# Allegro board mini_trx_layout.brd (continued)
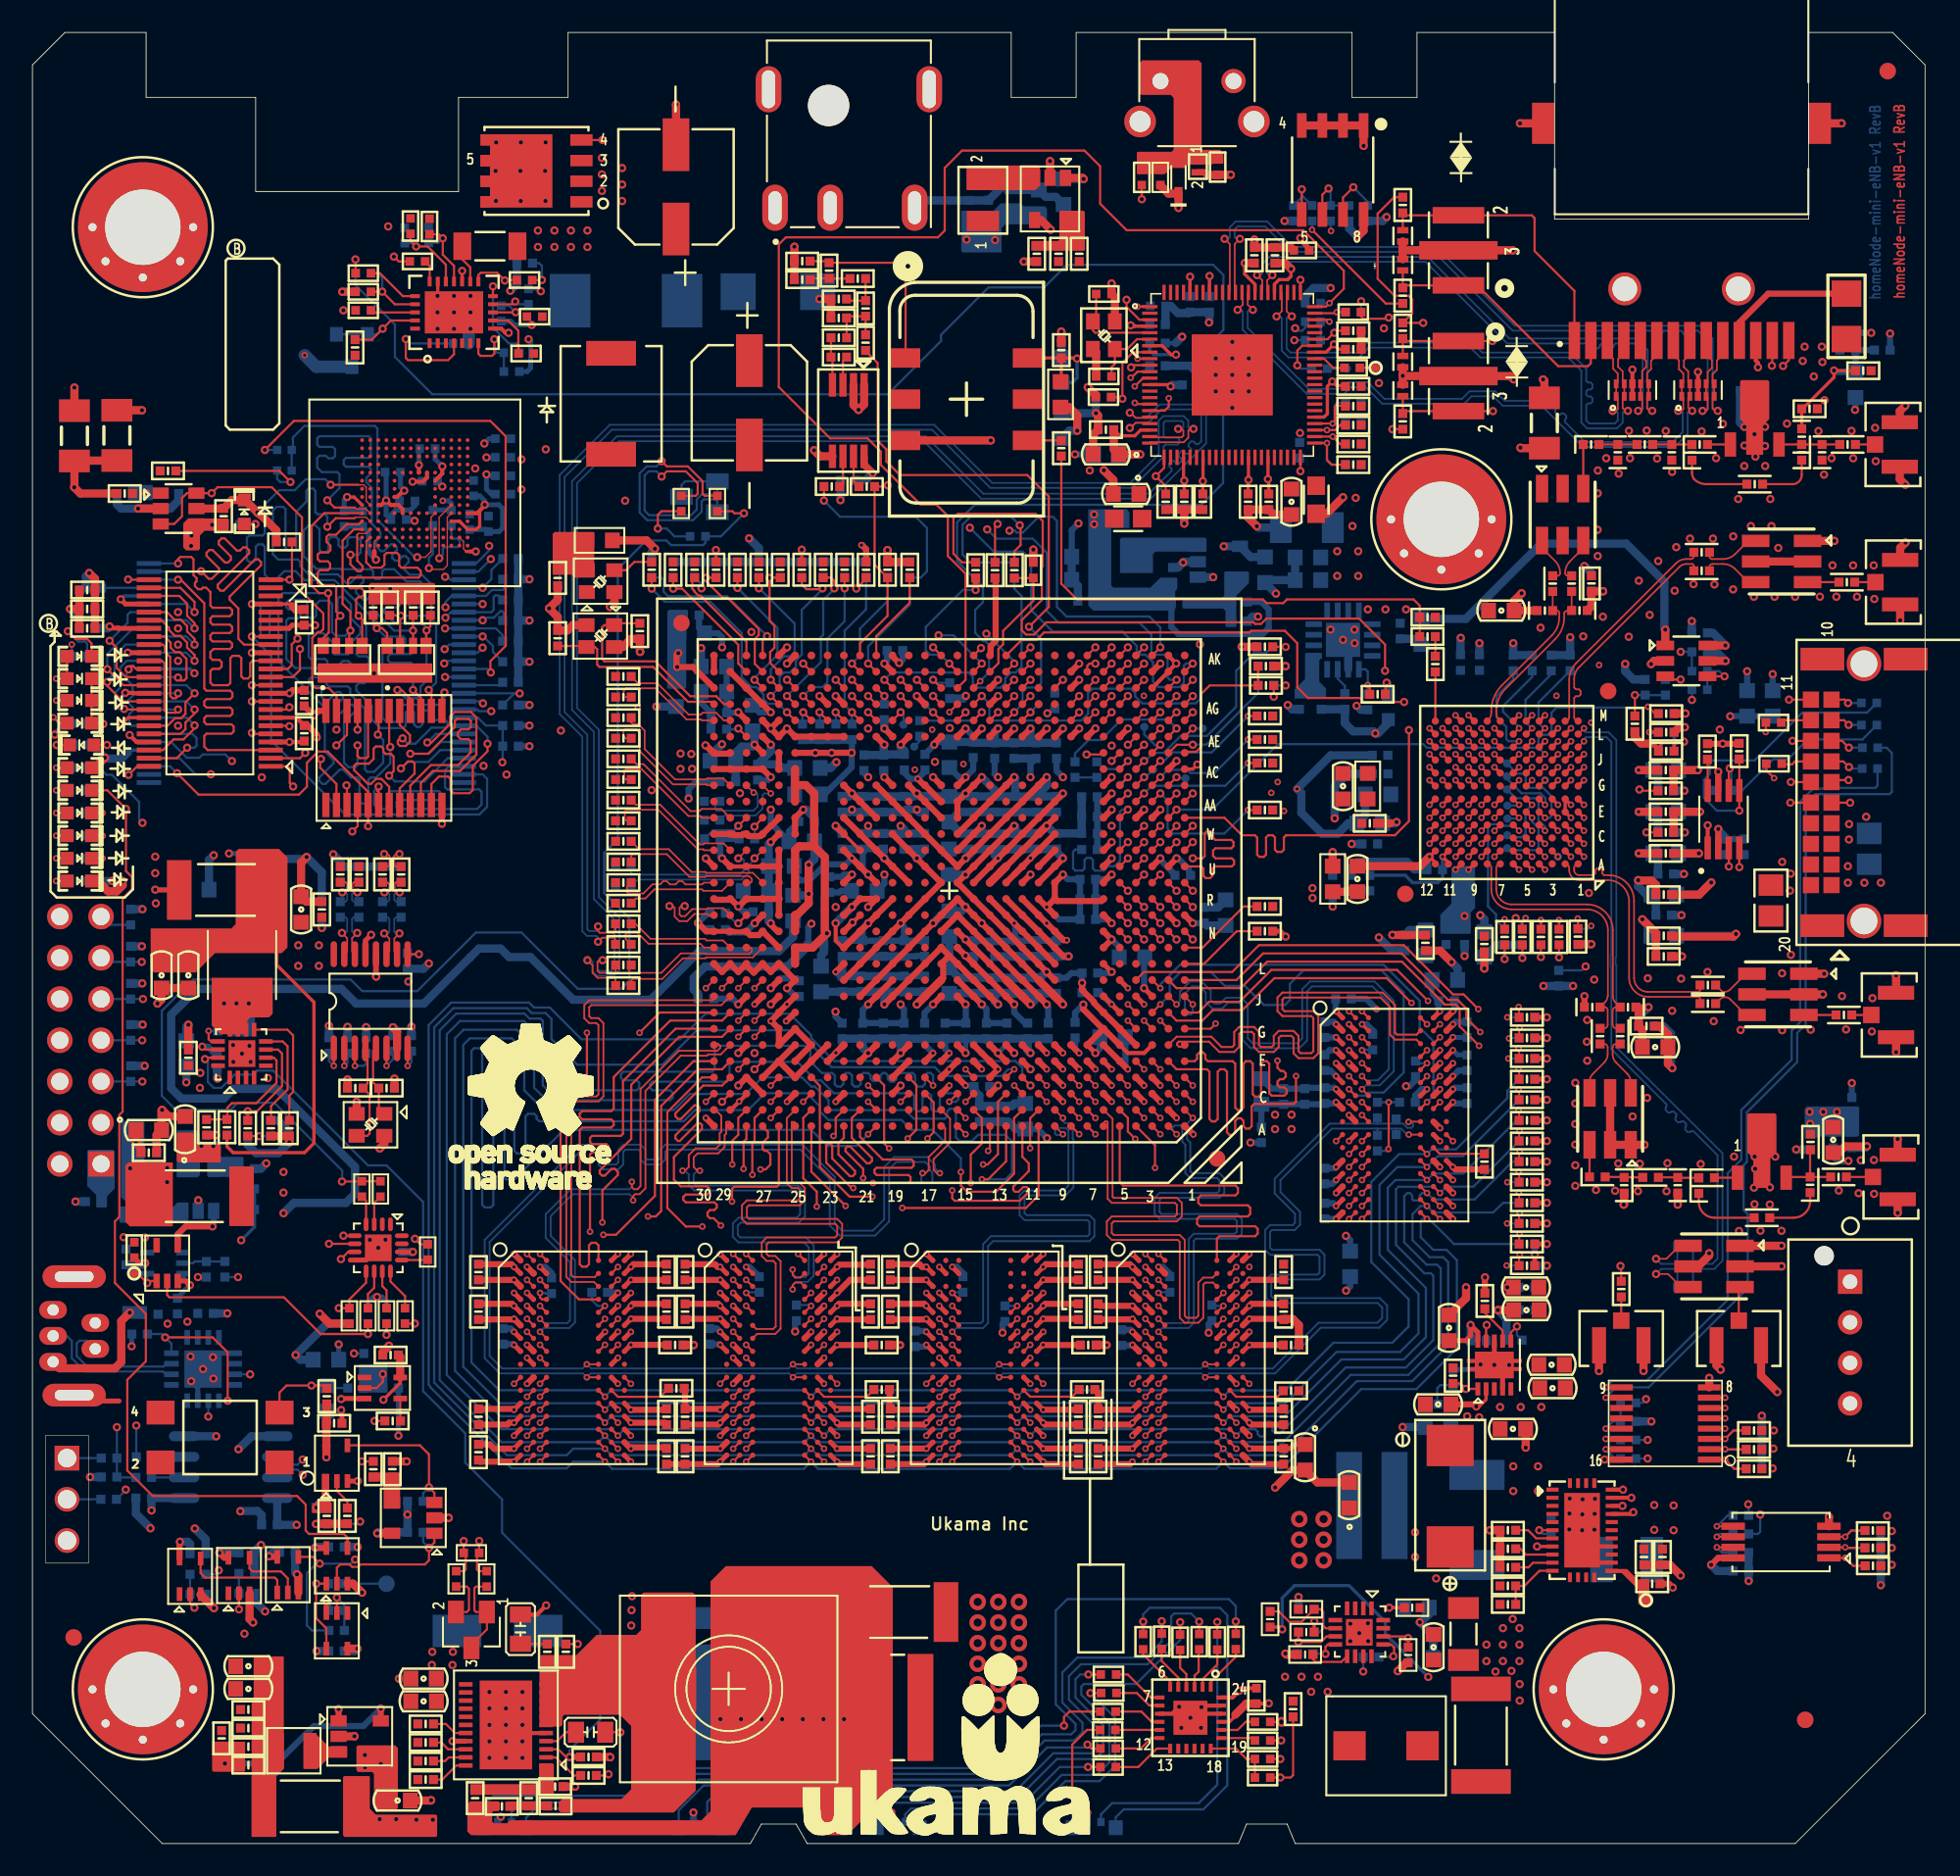
[diagram p0: board, top side]
## Routing (per net, layer and track width the routed paths; a pad name or vN(x,y) marks a point on that pad's centre or on a via; arc(x,y) is an arc through that point) (continued)
7130_DDR3_A14: length 153.2
  TOP w0.137: v2(47.97,23.53) U15.T7 ; v1(61.49,46.71) U1.D11 ; U35.T7 v2(85.91,38.49) ; U11.T7 v2(35.27,23.53) ; U23.T7 v2(60.67,23.53) ; U30.T7 v2(73.37,23.53)
  BOTTOM w0.137: v1(61.49,46.71) 61.15,47.04 60.98,47.21 60.98,47.8 60.56,48.22 49.39,48.22 47.98,49.63 47.98,49.81 46.65,51.13 41.47,51.13 39.89,49.56 33.82,49.56 32.12,51.26 32.12,51.27 31.88,51.52 30.9,51.52 30.59,51.82 25.8,51.82 24.41,50.43 24.41,28.27 24.51,28.17 24.51,28.12 29.51,23.12 32.9,23.12 33.32,23.53 v2(35.27,23.53) 35.72,23.09 47.53,23.09 v2(47.97,23.53) 48.42,23.09 60.23,23.09 v2(60.67,23.53) 61.11,23.09 72.93,23.09 v2(73.37,23.53) 73.79,23.12 76.98,23.12 81.86,28 85.26,28 87.75,30.49 87.75,35.95 87.12,36.59 86.31,36.59 85.53,37.36 85.53,38.36 85.66,38.49 v2(85.91,38.49) 86.04,38.49 87.58,36.94 R463.1
7130_DDR3_A15: length 159
  TOP w0.137: U1.B11 60.47,44.7 60.47,41.27 59.37,40.17 57.58,40.17 57.2,40.55 v2(57.2,41.39) ; U11.M7 v2(35.27,26.73) ; U30.M7 v2(73.37,26.73) ; U15.M7 v2(47.97,26.73) ; U23.M7 v2(60.67,26.73) ; U35.M7 v2(85.91,41.69)
  BOTTOM w0.137: R456.1 88.11,42.35 86.58,42.35 v2(85.91,41.69) 84.09,41.69 82.99,40.59 82.99,36.28 85.39,33.88 85.39,31.43 84.25,30.29 80.34,30.29 77.19,27.14 73.78,27.14 v2(73.37,26.73) 72.95,27.15 61.09,27.15 v2(60.67,26.73) 60.25,27.15 57.21,27.15 57.19,27.13 48.37,27.13 v2(47.97,26.73) 47.57,27.13 35.67,27.13 v2(35.27,26.73) 34.87,27.13 28.79,27.13 26.54,29.39 26.54,49.21 26.95,49.62 29.54,49.62 29.69,49.46 29.69,42.68 29.84,42.53 30.22,42.53 30.38,42.68 30.38,44.82 30.53,44.97 30.91,44.97 31.06,44.82 31.06,44.66 31.21,44.51 40.13,44.51 40.81,45.2 44.09,45.2 45.13,46.23 47.7,46.23 48.51,45.43 48.51,45.12 49.04,44.59 53.54,44.59 54.15,43.98 55.44,43.98 57.2,42.23 v2(57.2,41.39)
7130_DDR3_BA0: length 167.1
  TOP w0.137: U35.M2 v2(81.11,41.69) ; U23.M2 v2(55.87,26.73) ; U15.M2 v2(43.17,26.73) ; U1.B20 v2(51.49,45.71) ; U30.M2 v2(68.57,26.73) ; U11.M2 v2(30.47,26.73)
  L3-SIGNAL w0.127: v2(51.49,45.71) 50.77,45.71 50.53,45.95 50.53,46.26 50.23,46.57 48.66,46.57 46,49.24 43.24,49.24 42.63,48.63 41.14,48.63 39.49,46.98 36.89,46.98 33.85,43.94 28.15,38.24 27.97,38.24 27.84,38.38 27.84,38.56 33.85,44.57 36.76,47.48 39.37,47.48 41.08,49.2 42.33,49.2 42.45,49.32 42.45,49.58 42.33,49.71 40.89,49.71 39.11,47.93 36.57,47.93 27.3,38.66 27.3,28.31 28.5,27.11 30.09,27.11 v2(30.47,26.73) 30.87,27.13 42.77,27.13 v2(43.17,26.73) 43.57,27.13 55.47,27.13 v2(55.87,26.73) 56.27,27.13 68.17,27.13 v2(68.57,26.73) 68.97,27.13 76.35,27.13 77.59,28.37 77.59,39.67 79.99,42.07 80.73,42.07 v2(81.11,41.69) U35.M2 88.39,42.09 90.87,44.56 90.87,48.31 v2(90.93,48.37)
  BOTTOM w0.127: R454.1 v2(90.93,48.37)
7130_DDR3_BA1: length 158.8
  TOP w0.119: v2(91.61,43.9) 91.59,43.88 R222.1
  TOP w0.137: U23.N8 v2(61.47,25.93) ; U1.C20 v2(51.49,46.71) ; U35.N8 v2(86.71,40.89) ; U30.N8 v2(74.17,25.93) ; U11.N8 v2(36.07,25.93) ; U15.N8 v2(48.77,25.93)
  L3-SIGNAL w0.127: v2(91.61,43.9) 91.61,43.88 88.22,40.48 87.12,40.48 v2(86.71,40.89) 86.32,40.49 79.92,40.49 78.61,39.18 78.61,27.35 76.77,25.51 74.59,25.51 v2(74.17,25.93) 73.77,25.54 61.87,25.54 v2(61.47,25.93) 61.07,25.53 49.17,25.53 v2(48.77,25.93) 48.37,25.53 36.47,25.53 v2(36.07,25.93) 35.68,25.54 28.62,25.54 26.29,27.87 26.29,42.4 32.64,48.76 32.82,48.76 33.01,48.57 33,48.32 27.02,42.31 27.02,42.07 27.22,41.87 27.4,41.87 33.85,48.32 34.26,48.73 34.44,48.73 34.7,48.46 34.7,48.28 34.06,47.63 33.85,47.43 32.92,46.49 32.92,46.31 33.1,46.13 33.4,46.13 36.09,48.82 38.41,48.82 40.81,51.22 45.77,51.22 46,50.99 46,50.38 49.15,47.23 52.6,47.23 52.73,47.1 52.73,46.84 52.6,46.71 v2(51.49,46.71)
7130_DDR3_BA2: length 163.8
  TOP w0.119: R223.1 91.59,45.16 v2(91.56,45.18)
  TOP w0.137: U1.A11 60.99,42.31 61.38,41.92 61.38,41.44 60.43,40.48 60.43,40.27 60.54,40.16 60.75,40.16 61.04,40.45 61.25,40.45 61.36,40.35 61.36,40.13 60.83,39.61 56.82,39.61 56.66,39.76 v2(56.66,40.24) ; U30.M3 v2(69.37,26.73) ; U35.M3 v2(81.91,41.69) ; U15.M3 v2(43.97,26.73) ; U11.M3 v2(31.27,26.73) ; U23.M3 v2(56.67,26.73)
  L6-SIGNAL w0.127: v2(56.66,40.24) 56.77,40.35 56.77,42.21 56.22,42.76 56.04,42.76 55.93,42.65 55.93,42.47 56.32,42.09 56.32,40.82 56.19,40.69 52.7,40.69 52.57,40.82 52.57,40.94 52.7,41.07 54.04,41.07 54.16,41.2 54.16,41.34 54.04,41.46 48.12,41.46 46.99,42.59 46.99,46.66 47.29,46.96 47.29,53.27 46.15,54.42 40.05,54.42 39.52,53.88 39.52,49.62 27.37,37.46 27.37,28.69 28.92,27.13 30.87,27.13 v2(31.27,26.73) 31.67,27.13 43.57,27.13 v2(43.97,26.73) 44.37,27.13 56.27,27.13 v2(56.67,26.73) 57.07,27.13 68.97,27.13 v2(69.37,26.73) 69.77,27.13 75.21,27.13 77.59,29.51 77.59,40.61 79.07,42.09 81.51,42.09 v2(81.91,41.69) 84.96,41.69 85.36,42.09 89.21,42.09 91.56,44.44 v2(91.56,45.18)
7130_DDR3_CAS: length 166
  TOP w0.119: R226.1 91.59,48.98 v2(91.56,49.01)
  TOP w0.137: v2(50.57,40.4) 50.47,40.4 48.9,41.96 48.9,43.01 49.03,43.14 49.15,43.14 49.27,43.01 49.27,42.21 50.36,41.13 50.54,41.13 50.68,41.27 50.68,41.45 49.65,42.47 49.65,43.15 49.99,43.48 U1.A22 ; U23.K3 v2(56.67,28.33) ; U15.K3 v2(43.97,28.33) ; U30.K3 v2(69.37,28.33) ; U35.K3 v2(81.91,43.29) ; U11.K3 v2(31.27,28.33)
  L6-SIGNAL w0.127: v2(91.56,49.01) 90.87,49.01 90.5,48.64 90.5,46.02 90.5,46.02 90.5,45.72 88.46,43.68 85.54,43.68 85.14,43.29 v2(81.91,43.29) 81.51,43.69 78.93,43.69 76.39,41.15 76.39,29.94 75.45,29 73.8,29 73.12,28.33 70.35,28.33 70.23,28.46 70.23,28.69 70.35,28.81 71.62,28.81 71.75,28.94 71.75,29.14 71.62,29.27 70.08,29.27 69.85,29.05 69.85,28.81 v2(69.37,28.33) 68.96,28.74 60.96,28.74 60.55,28.33 57.71,28.33 57.58,28.46 57.58,28.69 57.71,28.81 58.98,28.81 59.1,28.94 59.1,29.22 58.98,29.35 57.27,29.35 57.06,29.13 57.06,28.72 v2(56.67,28.33) 56.26,28.74 48,28.74 47.6,28.33 44.89,28.33 44.76,28.46 44.76,28.69 44.89,28.81 46.25,28.81 46.38,28.94 46.38,29.14 46.25,29.27 44.47,29.27 44.35,29.15 44.35,28.71 v2(43.97,28.33) 43.56,28.74 35.73,28.74 35.33,28.33 32.25,28.33 32.13,28.46 32.13,28.61 32.25,28.74 33.52,28.74 33.65,28.86 33.65,29.07 33.52,29.2 31.82,29.2 31.67,29.05 31.67,28.73 v2(31.27,28.33) 30.73,28.88 29.14,28.88 28.38,29.64 28.38,37.56 40.13,49.31 40.13,53.35 40.59,53.81 45.46,53.81 46,53.27 46,46.57 45.62,46.19 45.23,46.19 45.01,45.96 45.01,44.36 45.16,44.21 45.46,44.21 45.54,44.13 45.54,43.83 45.46,43.75 45.08,43.75 45.01,43.67 45.01,43.43 46.52,41.91 46.52,41.39 47.52,40.4 v2(50.57,40.4)
7130_DDR3_CB0: length 29.6
  TOP w0.137: U23.H7 v2(60.67,30.73) ; U1.B8 v2(64.49,44.71)
  L6-SIGNAL w0.127: v2(64.49,44.71) 63.94,44.16 63.94,37.17 63.81,37.04 63.5,37.04 63.37,37.17 63.37,42.66 63.24,42.78 62.99,42.78 62.87,42.66 62.87,31.25 62.74,31.13 61.06,31.13 v2(60.67,30.73)
7130_DDR3_CB1: length 29.6
  TOP w0.137: U23.F7 v2(60.67,32.33) ; U1.A8 v2(64.49,43.71)
  L3-SIGNAL w0.114: v2(60.67,32.33) 58.86,32.33 58.73,32.46 58.73,37.64 58.61,37.77 58.35,37.77 58.23,37.64 58.23,36.17 58.1,36.04 57.85,36.04 57.72,36.17 57.72,38.15 57.85,38.28 62.1,38.28 62.23,38.4 62.23,41.77 62.35,41.9 64.36,41.9 64.49,42.02 64.49,42.28 64.36,42.4 62.23,42.4 62.1,42.53 62.1,42.78 62.23,42.91 64.36,42.91 64.49,43.04 v2(64.49,43.71)
7130_DDR3_CB2: length 29.6
  TOP w0.137: U23.H8 v2(61.47,30.73) ; U1.C8 v2(64.49,45.71)
  L6-SIGNAL w0.127: v2(64.49,45.71) 64.97,45.23 64.97,42.97 64.51,42.52 64.51,31.35 64.39,31.23 64.07,31.23 63.94,31.35 63.94,35.93 63.81,36.05 63.5,36.05 63.37,35.93 63.37,30.39 63.24,30.26 61.94,30.26 v2(61.47,30.73)
7130_DDR3_CB3: length 29.6
  TOP w0.137: U23.F8 v2(61.47,32.33) ; U1.D8 v2(64.49,46.71)
  L6-SIGNAL w0.127: v2(64.49,46.71) 64,46.22 60.6,46.22 60.47,46.09 60.47,41.69 59.18,40.4 59.18,37.17 59.05,37.04 58.7,37.04 58.57,37.17 58.57,39.74 58.44,39.86 58.09,39.86 57.96,39.74 57.96,32.83 58.09,32.7 61.1,32.7 v2(61.47,32.33)
7130_DDR3_CB4: length 29.6
  TOP w0.137: U1.B10 61.46,44.69 v2(61.46,42.85) ; U23.H3 v2(56.67,30.73)
  L3-SIGNAL w0.127: v2(56.67,30.73) 57.48,30.73 58.16,31.42 58.16,34.97 57.21,35.93 54.67,35.93 54.48,36.12 54.48,36.62 54.35,36.75 53.73,36.75 53.61,36.88 53.61,37.13 53.73,37.26 54.42,37.26 55.85,38.69 56.03,38.69 56.23,38.49 56.23,38.31 55.4,37.48 55.4,37.3 55.6,37.1 55.78,37.1 57.46,38.78 60.51,38.78 61.46,39.74 v2(61.46,42.85)
7130_DDR3_CB5: length 29.6
  TOP w0.137: U23.E3 v2(56.67,33.13) ; U1.A10 61.99,39.94 61.21,39.16 v2(53.59,39.16)
  L3-SIGNAL w0.127: v2(56.67,33.13) 56.26,33.54 51.03,33.54 50.86,33.7 50.86,33.96 50.99,34.08 51.88,34.08 52,34.21 52,34.47 51.88,34.59 50.99,34.59 50.86,34.72 50.86,38.66 50.99,38.78 53.46,38.78 53.59,38.91 v2(53.59,39.16)
7130_DDR3_CB6: length 29.6
  TOP w0.137: U23.G2 v2(55.87,31.53) ; U1.D10 v2(62.49,46.71)
  L3-SIGNAL w0.127: v2(62.49,46.71) 62.99,46.21 62.99,45.27 60.58,42.86 60.58,39.93 59.94,39.29 55.62,39.29 54.1,37.77 53.45,37.77 53.02,37.34 53.02,35.74 53.64,35.11 55.61,35.11 55.88,34.85 57.34,34.85 57.65,34.53 57.65,31.74 57.05,31.13 56.28,31.13 v2(55.87,31.53)
7130_DDR3_CB7: length 29.6
  TOP w0.137: U1.C10 v2(62.49,45.71) ; U23.F2 v2(55.87,32.33)
  L3-SIGNAL w0.127: v2(55.87,32.33) 56.27,32.73 57.03,32.73 57.16,32.85 57.16,34.21 57.03,34.34 52.64,34.34 52.51,34.47 52.51,35.23 52.38,35.35 51.5,35.35 51.37,35.48 51.37,38.15 51.5,38.28 53.91,38.28 55.43,39.8 59.69,39.8 60.07,40.18 60.07,43.29 v2(62.49,45.71)
7130_DDR3_CBS0N: length 29.6
  TOP w0.114: U23.G3 v2(56.67,31.53) ; U1.B9 v2(63.49,44.71)
  BOTTOM w0.114: v2(63.49,44.71) 63.49,44.51 63.6,44.4 63.79,44.4 64.09,44.1 64.09,43.45 64.13,43.41 64.13,40.42 63.65,39.94 61.25,39.94 61.12,39.81 61.12,38.85 61.25,38.72 65.12,38.72 65.43,38.42 65.43,37.42 65.12,37.12 59.18,37.12 58.87,36.82 58.87,32.08 58.56,31.77 56.91,31.77 v2(56.67,31.53)
7130_DDR3_CBS0P: length 29.6
  TOP w0.114: U1.A9 v2(63.49,43.71) ; U23.F3 v2(56.67,32.33)
  BOTTOM w0.114: v2(56.67,32.33) 56.93,32.07 58.44,32.07 58.57,32.2 58.57,36.94 59.05,37.42 65,37.42 65.12,37.55 65.12,38.29 65,38.42 61.12,38.42 60.82,38.72 60.82,39.94 61.12,40.24 63.52,40.24 63.83,40.55 63.83,43.93 63.66,44.09 63.18,44.09 63,43.91 63,43.75 63.09,43.66 63.44,43.66 v2(63.49,43.71)
7130_DDR3_CKE0: length 162.2
  TOP w0.137: v2(36.87,28.33) U11.K9 ; v2(49.57,28.33) U15.K9 ; U23.K9 v2(62.27,28.33) ; U30.K9 v2(74.97,28.33) ; v2(58.87,42.68) 58.99,42.79 U1.A13 ; U35.K9 v2(87.51,43.29)
  L3-SIGNAL w0.127: v2(58.87,42.68) 58.61,42.68 58.48,42.81 58.48,43.48 58.35,43.61 58.16,43.61 58.04,43.48 58.04,42.02 57.91,41.9 57.65,41.9 57.53,42.02 57.53,43.17 57.4,43.29 57.15,43.29 57.02,43.17 57.02,42.02 56.89,41.9 56.7,41.9 56.58,42.02 56.58,43.48 56.45,43.61 56.26,43.61 56.13,43.48 56.13,42.02 56,41.9 55.81,41.9 55.69,42.02 55.69,43.75 55.53,43.91 52.83,43.91 52.81,43.93 52.49,43.93 51.92,44.49 50.35,44.49 50.35,44.5 49.74,44.5 46.63,47.61 45.13,47.61 44.7,47.18 43.32,47.18 42.86,46.72 42.1,46.72 41.97,46.85 41.97,47.1 42.1,47.23 42.61,47.23 42.73,47.36 42.73,47.61 42.61,47.74 41.78,47.74 35.11,41.07 33.78,41.07 30.15,37.44 29.97,37.44 29.84,37.58 29.84,37.76 33.34,41.27 33.34,41.45 33.2,41.59 33.02,41.59 28.32,36.89 28.32,28.59 29,27.9 29.84,27.9 30.07,28.13 30.07,28.59 30.3,28.81 31.75,28.81 32.28,28.28 35.1,28.28 35.79,28.97 36.24,28.97 v2(36.87,28.33) 40.89,28.33 41.32,27.9 42.57,27.9 42.77,28.1 42.77,28.61 42.9,28.74 44.93,28.74 45.77,27.9 47.14,27.9 48.05,28.81 49.09,28.81 v2(49.57,28.33) 50,27.9 55.29,27.9 55.47,28.08 55.47,28.61 55.6,28.74 57.35,28.74 57.81,28.28 60.4,28.28 60.93,28.81 61.79,28.81 v2(62.27,28.33) 62.7,27.9 68.02,27.9 68.17,28.05 68.17,28.98 68.39,29.2 69.4,29.2 70.16,29.96 72.64,29.96 73.78,28.81 74.49,28.81 v2(74.97,28.33) 75.69,28.33 76.58,29.22 76.58,39.99 79.5,42.91 80.51,42.91 80.71,43.11 80.71,43.65 81.05,43.99 83.75,43.99 84.45,43.29 85.7,43.29 86.08,43.67 87.13,43.67 v2(87.51,43.29) 90.17,45.94 90.17,50.21 v2(90.87,50.91)
  BOTTOM w0.127: R452.1 v2(90.87,50.91)
7130_DDR3_CLK0N: length 149.5
  TOP w0.114: U23.K7 v2(59.55,28.73) ; U1.B16 56.53,44.66 56.53,43.19 55.52,42.18 55.52,41.51 55.72,41.31 v2(55.9,41.31) ; v2(34.15,28.73) U11.K7 ; U35.K7 v2(84.8,43.69) ; U30.K7 v2(72.25,28.73) ; U15.K7 v2(46.85,28.73)
  BOTTOM w0.114: 82.86,44.05 R442.1 ; 82.86,44.05 84.02,44.05 ; 82.86,44.05 80.06,44.05 76.89,40.88 76.89,40.14 78.09,38.94 78.09,38.12 77.77,37.81 76.37,37.81 76.25,37.68 76.25,36.71 76.37,36.59 79.3,36.59 79.6,36.28 79.6,35.06 79.3,34.76 76.45,34.76 76.32,34.63 76.32,33.74 76.45,33.61 83,33.61 83.46,33.16 83.46,32.27 82.98,31.79 79.37,31.79 76.55,28.97 72.49,28.97 v2(72.25,28.73) 72.02,28.97 59.79,28.97 v2(59.55,28.73) 59.32,28.97 47.09,28.97 v2(46.85,28.73) 46.62,28.97 34.39,28.97 v2(34.15,28.73) 33.92,28.97 28.8,28.97 27.86,29.91 27.86,37.2 33.73,43.06 34.87,43.06 35.18,42.76 35.18,41.97 35.3,41.84 35.96,41.84 36.09,41.97 36.09,42.76 36.39,43.06 37.46,43.06 37.77,42.76 37.77,42.28 37.89,42.15 38.55,42.15 38.68,42.28 38.68,42.76 38.99,43.06 47.44,43.06 49.43,41.08 49.43,38.22 49.88,37.77 51.77,37.77 52.47,38.47 52.47,41.69 53.08,42.3 55.13,42.3 55.6,41.83 55.6,41.62 v2(55.9,41.31) ; 84.02,44.05 84.32,44.05 84.69,43.69 v2(84.8,43.69) ; 84.02,44.05 C419.2
7130_DDR3_CLK0P: length 149.4
  TOP w0.114: v2(54.84,41.31) 55.03,41.31 55.22,41.5 55.22,42.3 56.23,43.31 56.23,44.07 56.09,44.21 U1.A16 ; v2(46.85,29.53) U15.J7 ; U35.J7 84.8,44.49 v2(84.78,44.47) ; v2(34.15,29.53) U11.J7 ; U23.J7 v2(59.55,29.53) ; U30.J7 v2(72.25,29.53)
  BOTTOM w0.114: C419.1 84.02,44.36 ; 84.02,44.36 82.86,44.36 ; 84.02,44.36 84.45,44.36 84.71,44.1 84.96,44.1 85.06,44.21 85.06,44.33 84.93,44.47 v2(84.78,44.47) ; v2(54.84,41.31) 54.76,41.23 54.76,40.82 54.87,40.7 55.33,40.7 55.44,40.82 55.44,41.34 55.29,41.49 55.29,41.7 55,42 53.22,42 52.78,41.55 52.78,38.33 51.91,37.46 49.75,37.46 49.12,38.09 49.12,40.94 47.3,42.76 39.11,42.76 38.99,42.63 38.99,42.15 38.68,41.84 37.77,41.84 37.46,42.15 37.46,42.63 37.33,42.76 36.52,42.76 36.39,42.63 36.39,41.84 36.09,41.54 35.18,41.54 34.87,41.84 34.87,42.63 34.74,42.76 33.85,42.76 28.17,37.07 28.17,30.05 28.94,29.27 33.89,29.27 v2(34.15,29.53) 34.41,29.27 46.59,29.27 v2(46.85,29.53) 47.11,29.27 59.29,29.27 v2(59.55,29.53) 59.81,29.27 71.99,29.27 v2(72.25,29.53) 72.51,29.27 76.41,29.27 79.23,32.09 82.85,32.09 83.16,32.4 83.16,33.03 82.88,33.31 76.32,33.31 76.02,33.61 76.02,34.76 76.32,35.06 79.17,35.06 79.3,35.19 79.3,36.15 79.17,36.28 76.25,36.28 75.94,36.59 75.94,37.81 76.25,38.11 77.64,38.11 77.78,38.25 77.78,38.81 76.53,40.06 76.53,40.97 79.92,44.36 82.86,44.36 ; 82.86,44.36 R441.1
7130_DDR3_CS0: length 167.7
  TOP w0.137: U15.L2 v2(43.17,27.53) ; U23.L2 v2(55.87,27.53) ; U30.L2 v2(68.57,27.53) ; v2(53.49,45.71) U1.C18 ; U11.L2 v2(30.47,27.53) ; U35.L2 v2(81.11,42.49)
  L3-SIGNAL w0.127: v2(53.49,45.71) 53.49,44.94 53.74,44.69 55.81,44.69 55.94,44.56 55.94,44.37 55.81,44.24 52.96,44.24 52.83,44.37 52.83,45.64 52.7,45.77 52.51,45.77 52.38,45.64 52.38,44.95 52.26,44.82 50.23,44.82 50.1,44.95 50.1,46.06 49.97,46.19 48.51,46.19 46.53,48.17 41.39,48.17 34.82,41.6 34.64,41.6 34.47,41.77 34.47,41.95 38.73,46.21 38.73,46.39 38.58,46.54 38.4,46.54 34.06,42.2 33.78,41.92 33.6,41.92 33.46,42.06 33.46,42.24 34.06,42.83 37.24,46.02 37.24,46.2 37.11,46.34 36.93,46.34 34.06,43.47 33.85,43.26 27.81,37.22 27.81,28.41 28.77,27.44 30.38,27.44 v2(30.47,27.53) 30.87,27.93 35.64,27.93 36.04,27.53 v2(43.17,27.53) 43.55,27.91 44.24,27.91 44.64,27.52 47.34,27.52 47.73,27.91 48.24,27.91 48.62,27.53 v2(55.87,27.53) 56.27,27.93 60.98,27.93 61.38,27.53 v2(68.57,27.53) 68.97,27.93 70.1,27.93 70.23,28.05 70.23,29.26 70.35,29.39 70.61,29.39 70.74,29.26 70.74,27.73 70.86,27.61 71.12,27.61 71.24,27.73 71.24,29.26 71.37,29.39 71.62,29.39 71.75,29.26 71.75,27.73 71.88,27.61 72.13,27.61 72.26,27.73 72.26,28.12 72.39,28.24 72.58,28.24 72.89,27.93 76.2,27.93 77.09,28.81 77.09,39.86 79.71,42.49 v2(81.11,42.49) 81.51,42.88 82.52,42.88 82.8,43.17 83.94,43.17 84.22,42.89 88.36,42.89 90.48,45.01 90.48,49.13 90.97,49.62 v2(90.97,49.62)
  BOTTOM w0.127: v2(90.97,49.62) 91,49.64 R453.1
7130_DDR3_DQ0: length 29.5
  TOP w0.137: U1.K1 74.18,53.21 75.82,54.85 84.35,54.85 87.21,51.99 87.8,51.99 88.34,51.45 88.34,51.34 88.34,50.86 v2(89.2,50) ; U35.H8 v2(86.71,45.69)
  L3-SIGNAL w0.127: v2(86.71,45.69) 87.11,46.08 88.04,46.08 88.22,45.9 88.22,45.52 88.3,45.43 88.7,45.43 89.02,45.75 89.02,45.94 89.56,46.48 89.56,49.64 v2(89.2,50)
7130_DDR3_DQ1: length 29.6
  TOP w0.137: U1.K2 70.49,52.71 74.44,52.71 76.07,54.34 84.38,54.34 87.02,51.7 87.68,51.7 87.93,51.46 87.93,50.36 v2(89.13,49.16) ; U35.F7 v2(85.91,47.29)
  L3-SIGNAL w0.127: v2(89.13,49.16) 89.13,46.63 88.87,46.38 88.25,46.38 87.75,46.87 86.33,46.87 v2(85.91,47.29)
7130_DDR3_DQ2: length 25.7
  TOP w0.137: U1.K3 v2(69.49,52.71) ; U35.H7 v2(85.91,45.69)
  BOTTOM w0.137: v2(69.49,52.71) 69.49,52.94 70.7,54.15 83.25,54.15 85.47,51.93 85.47,50.28 86.31,49.43 86.31,46.08 v2(85.91,45.69)
7130_DDR3_DQ3: length 29.6
  TOP w0.137: U35.F8 v2(86.71,47.29) ; U1.K4 68.48,53.71 73.91,53.71 75.56,55.36 84.48,55.36 87.51,52.33 88.17,52.33 v2(89.07,51.42)
  L3-SIGNAL w0.127: v2(89.07,51.42) 88.13,50.48 88.13,48.12 87.7,47.69 87.12,47.69 v2(86.71,47.29)
7130_DDR3_DQ4: length 29.6
  TOP w0.137: U35.H3 v2(81.91,45.69) ; U1.H1 71.83,51.21 72.48,51.86 74.36,51.86 76.32,53.83 84.07,53.83 v2(85.98,51.93)
  L3-SIGNAL w0.127: v2(81.91,45.69) 82.29,45.69 82.42,45.81 82.42,47.36 82.55,47.48 82.83,47.48 82.95,47.36 82.95,46.83 83.08,46.7 83.36,46.7 83.49,46.83 83.49,48.27 83.61,48.4 83.89,48.4 84.02,48.27 84.02,47.61 84.15,47.48 84.43,47.48 84.55,47.61 84.55,48.96 85.47,49.87 85.47,51.42 v2(85.98,51.93)
7130_DDR3_DQ5: length 29.6
  TOP w0.137: v2(84.96,51.8) 83.44,53.33 76.51,53.33 74.55,51.36 72.72,51.36 72.08,50.71 70.49,50.71 U1.H2 ; U35.E3 v2(81.91,48.09)
  L3-SIGNAL w0.127: v2(81.91,48.09) 82.52,48.09 82.65,48.21 82.65,50.66 82.78,50.79 83.05,50.79 83.18,50.66 83.18,49.08 83.31,48.96 83.56,48.96 83.69,49.08 83.69,51.61 83.82,51.74 84.07,51.74 84.2,51.61 84.2,50.59 84.32,50.47 84.58,50.47 84.71,50.59 84.71,51.61 84.83,51.74 84.9,51.74 v2(84.96,51.8)
7130_DDR3_DQ6: length 29.4
  TOP w0.137: U1.H3 v2(69.49,51.71) ; U35.G2 v2(81.11,46.49)
  BOTTOM w0.137: v2(69.49,51.71) 70.07,52.29 70.07,53.04 70.73,53.7 72.61,53.7 73.46,52.85 74.69,52.85 75.87,51.67 77.16,51.67 77.47,51.98 77.47,52.97 78.3,53.81 83.11,53.81 84.48,52.44 84.48,47.51 83.25,46.28 82.27,46.28 82.08,46.08 81.52,46.08 v2(81.11,46.49)
7130_DDR3_DQ7: length 29.6
  TOP w0.137: U1.H4 v2(67.49,51.71) ; U35.F2 v2(81.11,47.29)
  L6-SIGNAL w0.127: v2(67.49,51.71) 66.48,50.7 66.48,48.31 66.61,48.18 75.75,48.18 75.88,48.31 75.88,48.5 75.75,48.63 71.79,48.63 71.66,48.75 71.66,49.01 71.79,49.13 76.77,49.13 77.66,48.25 78.55,48.25 79.08,47.71 80.69,47.71 v2(81.11,47.29)
7130_DDR3_DQ8: length 29.6
  TOP w0.127: U1.G1 72.59,50.21 72.89,50.51 v2(72.89,50.53)
  TOP w0.137: U35.D7 v2(85.91,48.88)
  L6-SIGNAL w0.127: v2(72.89,50.53) 72.7,50.34 70.35,50.34 70.23,50.21 70.23,49.64 70.1,49.52 69.15,49.52 69.02,49.39 69.02,49.13 69.15,49.01 70.55,49.01 70.67,49.13 70.67,49.83 70.8,49.96 77.09,49.96 77.91,49.13 79.77,49.13 79.94,49.31 84.4,49.31 84.53,49.18 84.53,49.07 84.4,48.94 82.99,48.94 82.86,48.82 82.86,48.69 82.99,48.56 84.89,48.56 85.21,48.88 v2(85.91,48.88)
7130_DDR3_DQ9: length 29.6
  TOP w0.137: U1.G2 v2(69.49,50.71) ; U35.B8 v2(86.71,50.49)
  L6-SIGNAL w0.127: v2(69.49,50.71) 72.39,50.71 72.7,51.03 73.1,51.03 73.72,50.4 77.28,50.4 77.39,50.29 77.59,50.29 77.71,50.41 77.71,50.54 77.47,50.79 73.91,50.79 73.78,50.91 73.78,51.04 73.91,51.17 77.78,51.17 78.17,50.79 78.17,49.71 78.36,49.52 79.45,49.52 80.02,50.09 82.28,50.09 82.66,49.71 84.71,49.71 85.09,49.32 85.55,49.32 v2(86.71,50.49)
7130_DDR3_DQ10: length 29.6
  TOP w0.137: U35.C8 v2(86.71,49.68) ; U1.G3 v2(68.49,50.71)
  L6-SIGNAL w0.127: v2(86.71,49.68) 86.32,49.29 86.32,48.72 86.08,48.47 85.46,48.47 85.14,48.16 82.6,48.16 82.29,48.47 82.26,48.47 82.25,48.47 79.3,48.47 79,48.77 77.77,48.77 77,49.54 71.4,49.54 71.14,49.28 71.14,48.72 71.02,48.6 67.08,48.6 66.96,48.72 66.96,48.97 67.08,49.1 68.42,49.1 68.54,49.23 68.54,49.44 68.42,49.57 67.07,49.57 66.95,49.7 66.95,49.88 67.07,50.01 68.36,50.01 68.49,50.14 v2(68.49,50.71)
7130_DDR3_DQ11: length 29.6
  TOP w0.137: U35.A7 v2(85.91,50.49) ; U1.G4 v2(67.49,50.71)
  L6-SIGNAL w0.127: v2(67.49,50.71) 67.99,51.22 72.02,51.22 72.51,51.71 78.44,51.71 78.61,51.55 78.61,50.02 78.74,49.9 78.93,49.9 79.05,50.02 79.05,51.99 79.69,52.63 80.9,52.63 81.02,52.5 81.02,52.31 80.9,52.18 79.82,52.18 79.37,51.74 79.37,50.53 79.5,50.4 79.69,50.4 79.82,50.53 79.82,50.79 79.94,50.91 85.49,50.91 v2(85.91,50.49)
7130_DDR3_DQ12: length 29.6
  TOP w0.137: U35.A3 v2(81.91,51.29) ; U1.E1 71.6,48.21 71.75,48.36 71.75,48.6 71.9,48.75 72.11,48.75 72.26,48.6 72.26,48.36 72.41,48.21 73.95,48.21 74.1,48.06 74.1,45.35 74.25,45.2 74.46,45.2 74.61,45.35 74.61,48.06 74.76,48.21 75.03,48.21 75.18,48.06 75.18,46.17 75.33,46.02 75.54,46.02 75.69,46.17 75.69,48.06 75.84,48.21 76.04,48.21 76.2,48.06 76.2,46.24 76.35,46.09 77.12,46.09 77.28,46.24 77.28,46.44 77.12,46.59 76.86,46.59 76.7,46.75 76.7,46.95 76.86,47.1 77.06,47.1 77.21,47.25 77.21,47.46 77.06,47.61 76.9,47.61 76.7,47.81 v2(76.7,48.25)
  L3-SIGNAL w0.127: v2(81.91,51.29) 81.52,50.89 79.56,50.89 78.38,49.71 78.23,49.71 78.1,49.58 78.1,49.39 78.23,49.26 78.29,49.26 78.42,49.13 78.42,48.94 78.29,48.82 77.28,48.82 v2(76.7,48.25)
7130_DDR3_DQ13: length 29.6
  TOP w0.137: U35.C2 v2(81.11,49.68) ; v2(77.85,47.29) 77.85,45.73 77.7,45.58 75.27,45.58 75.12,45.43 75.12,44.21 74.96,44.05 74.76,44.05 74.61,44.21 74.61,44.54 74.46,44.69 74.25,44.69 74.1,44.54 74.1,43.83 73.95,43.67 73.75,43.67 73.59,43.83 73.59,47.56 73.44,47.71 73.17,47.71 73.02,47.56 73.02,44.65 72.87,44.5 72.67,44.5 72.51,44.65 72.51,47.56 72.36,47.71 70.49,47.71 U1.E2
  L3-SIGNAL w0.127: v2(77.85,47.29) 78.17,47.29 78.28,47.18 78.61,47.18 78.71,47.08 78.71,46.98 78.79,46.9 81.43,46.9 81.53,47 81.53,49.27 v2(81.11,49.68)
7130_DDR3_DQ14: length 29.6
  TOP w0.137: U35.C3 v2(81.91,49.68) ; U1.E4 v2(68.49,47.71)
  L3-SIGNAL w0.127: v2(81.91,49.68) 81.53,50.07 79.94,50.07 79.82,49.95 79.82,47.42 79.69,47.29 79.44,47.29 79.31,47.42 79.31,49.58 79.18,49.71 78.99,49.71 78.86,49.58 78.86,47.74 78.74,47.61 78.48,47.61 78.36,47.74 78.36,48.29 78.23,48.42 77.97,48.42 77.85,48.29 77.85,47.93 77.78,47.86 77.47,47.86 77.34,47.74 77.34,46.91 77.47,46.78 78.04,46.78 78.42,46.4 79.18,46.4 79.31,46.28 79.31,45.64 79.18,45.51 79.05,45.51 78.93,45.64 78.93,45.9 78.8,46.02 78.29,46.02 78.04,46.28 75.64,46.28 74.74,47.18 69.02,47.18 v2(68.49,47.71)
7130_DDR3_DQ15: length 29.6
  TOP w0.137: U1.E3 v2(69.49,47.71) ; U35.A2 v2(81.11,51.29)
  L6-SIGNAL w0.127: v2(81.11,51.29) 81.11,51.7 81.47,52.06 83.16,52.06 83.81,51.41 86.04,51.41 86.57,50.87 86.95,50.87 87.12,50.71 87.12,47.91 86.91,47.7 83.74,47.7 82.89,46.86 79.26,46.86 78.4,47.71 v2(69.49,47.71)
7130_DDR3_DQ16: length 29.6
  TOP w0.137: U30.H8 v2(74.17,30.73) ; U1.D1 v2(71.49,46.71)
  L6-SIGNAL w0.127: v2(74.17,30.73) 73.78,31.12 73.78,36.85 73.94,37.01 74.6,37.01 74.72,37.13 74.72,37.51 74.6,37.64 73.94,37.64 73.81,37.77 73.81,38.15 73.94,38.28 74.61,38.28 74.74,38.4 74.74,38.72 74.61,38.85 73.94,38.85 73.81,38.97 73.81,39.36 73.94,39.48 74.61,39.48 74.74,39.61 74.74,39.93 74.61,40.05 73.94,40.05 73.81,40.18 73.81,40.56 73.94,40.69 74.61,40.69 74.74,40.82 74.74,41.2 74.61,41.32 73.94,41.32 73.81,41.45 73.81,43.99 73.94,44.12 74.36,44.12 74.48,44.24 74.48,44.5 74.36,44.63 73.85,44.63 73.72,44.75 73.72,44.94 73.85,45.07 74.36,45.07 74.48,45.2 74.48,45.45 74.36,45.58 73.85,45.58 73.72,45.71 73.72,46.02 73.85,46.15 74.41,46.15 74.54,46.28 74.54,46.58 74.41,46.71 v2(71.49,46.71)
7130_DDR3_DQ17: length 29.6
  TOP w0.137: U30.F7 v2(73.37,32.33) ; U1.D2 v2(70.49,46.71)
  L6-SIGNAL w0.127: v2(70.49,46.71) 70.99,46.21 73.15,46.21 73.28,46.08 73.28,45.71 73.15,45.58 72.49,45.58 72.36,45.45 72.36,45.1 72.49,44.97 73.15,44.97 73.28,44.84 73.28,44.49 73.15,44.36 72.56,44.36 72.44,44.23 72.44,43.88 72.56,43.75 73.15,43.75 73.28,43.62 73.28,43.27 73.15,43.14 72.49,43.14 72.36,43.01 72.36,42.66 72.49,42.53 73.15,42.53 73.28,42.4 73.28,42.04 73.15,41.92 72.49,41.92 72.36,41.79 72.36,41.44 72.49,41.31 73.15,41.31 73.28,41.18 73.28,40.83 73.15,40.7 72.49,40.7 72.36,40.57 72.36,40.22 72.49,40.09 73.15,40.09 73.28,39.96 73.28,39.61 73.15,39.48 72.49,39.48 72.36,39.36 72.36,39 72.49,38.87 73.15,38.87 73.28,38.75 73.28,38.39 73.15,38.26 72.49,38.26 72.36,38.14 72.36,37.78 72.49,37.65 73.15,37.65 73.28,37.53 73.28,37.17 73.15,37.04 72.75,37.04 72.62,36.92 72.62,32.77 73.06,32.33 v2(73.37,32.33)
7130_DDR3_DQ18: length 29.6
  TOP w0.137: U1.C2 v2(70.49,45.71) ; U30.H7 v2(73.37,30.73)
  L6-SIGNAL w0.127: v2(73.37,30.73) 71.6,30.73 71.29,31.04 71.29,36.54 71.42,36.66 71.62,36.66 71.75,36.54 71.75,31.91 71.88,31.79 72.08,31.79 72.21,31.91 72.21,36.89 71.9,37.2 71.9,44.97 71.68,45.2 71,45.2 v2(70.49,45.71)
7130_DDR3_DQ19: length 29.6
  TOP w0.137: U1.C1 v2(71.49,45.71) ; U30.F8 v2(74.17,32.33)
  L3-SIGNAL w0.127: v2(74.17,32.33) 74.57,32.73 75.16,32.73 75.56,33.13 75.56,40.56 78.42,43.42 78.42,45.26 77.78,45.9 75.43,45.9 74.61,46.72 72.2,46.72 72.07,46.59 72.07,46.34 72.2,46.21 74.48,46.21 74.61,46.09 74.61,45.84 74.48,45.71 v2(71.49,45.71)